# Allegro board 038RT-9068CJK8E-A100_0921_1.brd (continued)
## Nets (continued)
S3_GPIOB_2: SITE3.N2(GPIOB_2) UNK3RD101.1
S3_GPIOC_0: SITE3.L4(GPIOC_0) UNK3RD98.1
S3_GPIOC_1: SITE3.L5(GPIOC_1) UNK3RD99.1
S3_H_SW_CTRL: S3_SW_CTRL.1 UNK3R137.2
S3_HOLD: SITE3.N16(SPI_SIO3) UNK3RD78.1
S3_INH: SITE3.J4(INH) UNK3K6.5 UNK3R275.1 UNK3R360.1
S3_INH_DIV2: UNK3K6.3 UNK3R360.2 UNK3R361.1
S3_INH_GND: UNK3K6.9 UNK3R361.2
S3_L_SW_CTRL: S3_SW_CTRL.3 UNK3R138.2
S3_LB_FE_MDI+: UNK3U6.43 UNK3U6.53
S3_LB_FE_MDI-: UNK3U6.42 UNK3U6.52
S3_LB_FE_MDIX+: UNK3U6.37 UNK3U6.59
S3_LB_FE_MDIX-: UNK3U6.36 UNK3U6.58
S3_LB_P2_GIGA_MDI+: UNK3K144.23 UNK3K144.25
S3_LB_P2_GIGA_MDI-: UNK3K144.22 UNK3K144.24
S3_LB_P3_GIGA_MDI+: UNK3K144.32 UNK3K144.34
S3_LB_P3_GIGA_MDI-: UNK3K144.31 UNK3K144.33
S3_LDOIN: S3_LDOIN.1(TP) SITE3.H12(P5_LDOIN[01]) SITE3.H13(P1_LDOIN[01]) SITE3.J7(P0_LDOIN[01]) SITE3.J12(P5_LDOIN[02]) SITE3.J13(P1_LDOIN[02]) SITE3.K7(P0_LDOIN[02]) UNK3CD98.1 UNK3CD99.1 UNK3CD161.1 UNK3CD162.1 UNK3CD163.1 UNK3CD164.1 UNK3CD165.1 UNK3CD166.1 UNK3RD72.1 UNK3ST3.1
S3_MCT1: UNK3R134.1 UNK3T12.2
S3_MCT2: UNK3R133.1 UNK3T12.7
S3_MCT_RC: UNK3C172.1 UNK3R133.2 UNK3R134.2
S3_NGATE: SITE3.F5(NGATE) UNK3K11.9
S3_OE_K144: UNK3K144.1 UNK3K144.10 UNK3RL18.1
S3_OE_K145: UNK3K145.1 UNK3K145.10 UNK3RL16.1
S3_OE_K184: UNK3K184.1 UNK3K184.10 UNK3RL21.1
S3_OE_K213: UNK3K213.1 UNK3K213.10 UNK3RL42.1
S3_OE_K214: UNK3K214.1 UNK3K214.10 UNK3RL44.1
S3_OE_K217: UNK3K217.1 UNK3K217.10 UNK3RL39.1
S3_P0_LDOOUT: SITE3.H7(P0_LDOOUT[01]) SITE3.H8(P0_LDOOUT[02]) UNK1K8.9
S3_P0_LED: SITE3.H15(P0_LED) UNK3RD90.1
S3_P0_MDI+: SITE3.A3(P0_MDIP) UNK3K60.3
S3_P0_MDI-: SITE3.A2(P0_MDIN) UNK3K60.6
S3_P0_RXC: SITE3.G1(P0_RXC) UNK3RR410.1
S3_P0_RXD0: SITE3.K2(P0_RXD0) UNK3RR413.1
S3_P0_RXD1: SITE3.K1(P0_RXD1) UNK3RR407.1
S3_P0_RXD2: SITE3.J2(P0_RXD2) UNK3RR411.1
S3_P0_RXD3: SITE3.J1(P0_RXD3) UNK3RR408.1
S3_P0_RXDV: SITE3.H2(P0_RXDV) UNK3RR409.1
S3_P0_RXER: SITE3.H1(P0_RXER) UNK3RR406.1
S3_P0_TESTD: SITE3.G2(P0_TESTD) UNK3RR412.1
S3_P0_TXC: SITE3.E2(P0_TXC) UNK3RR404.1
S3_P0_TXD0: SITE3.D2(P0_TXD0) UNK3RR400.1
S3_P0_TXD1: SITE3.D1(P0_TXD1) UNK3RR401.1
S3_P0_TXD2: SITE3.C2(P0_TXD2) UNK3RR402.1
S3_P0_TXD3: SITE3.C1(P0_TXD3) UNK3RR403.1
S3_P0_TXEN: SITE3.E1(P0_TXEN) UNK3RR405.1
S3_P0_VDDIO: SITE3.B1(P0_VDDIO[01]) SITE3.F1(P0_VDDIO[02]) SITE3.F2(P0_VDDIO[03]) UNK1K8.10 UNK3BD8.1 UNK3CD104.1 UNK3CD105.1 UNK3CD136.1 UNK3CD137.1 UNK3CD138.1 UNK3CD139.1
S3_P1_LDOOUT: SITE3.K13(P1_LDOOUT[01]) SITE3.L13(P1_LDOOUT[02]) UNK1K9.9
S3_P1_LED: SITE3.J16(P1_LED) UNK3RD95.1
S3_P1_MDI+: SITE3.B4(P1_MDIP) UNK3K64.3
S3_P1_MDI-: SITE3.B3(P1_MDIN) UNK3K64.6
S3_P1_RXC: SITE3.R18(P1_RXC) UNK3RR524.1 UNK3RR534.1
S3_P1_RXD0: SITE3.M18(P1_RXD0) UNK3RR520.1 UNK3RR530.1
S3_P1_RXD1: SITE3.M19(P1_RXD1) UNK3RR521.1 UNK3RR531.1
S3_P1_RXD2: SITE3.N18(P1_RXD2) UNK3RR522.1 UNK3RR532.1
S3_P1_RXD3: SITE3.N19(P1_RXD3) UNK3RR523.1 UNK3RR533.1
S3_P1_RXDV: SITE3.P18(P1_RXDV) UNK3RR525.1 UNK3RR535.1
S3_P1_TXC: SITE3.T19(P1_TXC) UNK3RR504.1 UNK3RR514.1
S3_P1_TXD0: SITE3.V19(P1_TXD0) UNK3RR500.1 UNK3RR510.1
S3_P1_TXD1: SITE3.V18(P1_TXD1) UNK3RR501.1 UNK3RR511.1
S3_P1_TXD2: SITE3.W18(P1_TXD2) UNK3RR502.1 UNK3RR512.1
S3_P1_TXD3: SITE3.V17(P1_TXD3) UNK3RR503.1 UNK3RR513.1
S3_P1_TXEN: SITE3.U19(P1_TXEN) UNK3RR505.1 UNK3RR515.1
S3_P1_VDDIO: SITE3.R19(P1_VDDIO[01]) SITE3.T18(P1_VDDIO[02]) UNK1K9.10 UNK3BD9.1 UNK3CD106.1 UNK3CD107.1 UNK3CD145.1 UNK3CD146.1 UNK3CD147.1 UNK3CD148.1
S3_P2_GIGA_MDI+: SITE3.A16(P2_GIGA_MDIP) UNK3T18.3
S3_P2_GIGA_MDI-: SITE3.A15(P2_GIGA_MDIN) UNK3T18.4
S3_P2_LED: SITE3.J15(P2_LED) UNK3RD96.1
S3_P3_GIGA_MDI+: SITE3.A18(P3_GIGA_MDIP) UNK3T23.3
S3_P3_GIGA_MDI-: SITE3.A17(P3_GIGA_MDIN) UNK3T23.4
S3_P3_LED: SITE3.K15(P3_LED) UNK3RD100.1
S3_P4_HSI+: SITE3.V12(P4_HSIP) UNK3K184.3
S3_P4_HSI-: SITE3.V13(P4_HSIN) UNK3K184.2
S3_P4_HSO+: SITE3.W13(P4_HSOP) UNK3K184.7
S3_P4_HSO-: SITE3.W14(P4_HSON) UNK3K184.6
S3_P5_HSI+: SITE3.V14(P5_HSIP) UNK3K184.12
S3_P5_HSI-: SITE3.V15(P5_HSIN) UNK3K184.11
S3_P5_HSO+: SITE3.W15(P5_HSOP) UNK3K184.16
S3_P5_HSO-: SITE3.W16(P5_HSON) UNK3K184.15
S3_P5_LDOOUT: SITE3.K12(P5_LDOOUT[01]) SITE3.L12(P5_LDOOUT[02]) UNK1K10.9
S3_P5_LED: SITE3.L15(P5_LED) UNK3RD87.1
S3_P5_MDI+: SITE3.A5(P5_MDIP) UNK3K130.3
S3_P5_MDI-: SITE3.A4(P5_MDIN) UNK3K130.6
S3_P5_RXC: SITE3.G19(P5_RXC) UNK3RR924.1 UNK3RR934.1
S3_P5_RXD0: SITE3.D19(P5_RXD0) UNK3RR920.1 UNK3RR930.1
S3_P5_RXD1: SITE3.E18(P5_RXD1) UNK3RR921.1 UNK3RR931.1
S3_P5_RXD2: SITE3.E19(P5_RXD2) UNK3RR922.1 UNK3RR932.1
S3_P5_RXD3: SITE3.F18(P5_RXD3) UNK3RR923.1 UNK3RR933.1
S3_P5_RXDV: SITE3.F19(P5_RXDV) UNK3RR925.1 UNK3RR935.1
S3_P5_TXC: SITE3.J18(P5_TXC) UNK3RR904.1 UNK3RR914.1
S3_P5_TXD0: SITE3.K18(P5_TXD0) UNK3RR900.1 UNK3RR910.1
S3_P5_TXD1: SITE3.K19(P5_TXD1) UNK3RR901.1 UNK3RR911.1
S3_P5_TXD2: SITE3.L18(P5_TXD2) UNK3RR902.1 UNK3RR912.1
S3_P5_TXD3: SITE3.L19(P5_TXD3) UNK3RR903.1 UNK3RR913.1
S3_P5_TXEN: SITE3.J19(P5_TXEN) UNK3RR905.1 UNK3RR915.1
S3_P5_VDDIO: SITE3.D18(P5_VDDIO[01]) SITE3.H18(P5_VDDIO[02]) SITE3.H19(P5_VDDIO[03]) UNK1K10.10 UNK3BD10.1 UNK3CD140.1 UNK3CD141.1 UNK3CD150.1 UNK3CD151.1 UNK3CD152.1
S3_P6_CLKREQB: SITE3.U1(P6_CLKREQB) UNK3K211.3
S3_P6_HSI+: SITE3.W6(P6_HSIP) UNK3K213.7
S3_P6_HSI-: SITE3.W5(P6_HSIN) UNK3K213.6
S3_P6_HSO+: SITE3.W3(P6_HSOP) UNK3K213.2
S3_P6_HSO-: SITE3.W4(P6_HSON) UNK3K213.3
S3_P6_ISOLATEB: SITE3.U2(P6_ISOLATEB) UNK3K220.3
S3_P6_LANWAKEB: SITE3.T2(P6_LANWAKEB) UNK3K212.3
S3_P6_LED: SITE3.M15(P6_LED) UNK3RD92.1
S3_P6_MDI+: SITE3.B6(P6_MDIP) UNK3K140.3
S3_P6_MDI-: SITE3.B5(P6_MDIN) UNK3K140.6
S3_P6_PCIE_RESETB: SITE3.V1(P6_PCIE_RESETB) UNK3K221.3
S3_P6_REFCLK+: SITE3.V2(P6_REFCLK_P) UNK3K214.2
S3_P6_REFCLK-: SITE3.V3(P6_REFCLK_N) UNK3K214.3
S3_P7_CLKREQB: SITE3.R5(P7_CLKREQB) UNK3K211.6
S3_P7_HSI+: SITE3.W11(P7_HSIP) UNK3K213.16
S3_P7_HSI-: SITE3.W10(P7_HSIN) UNK3K213.15
S3_P7_HSO+: SITE3.W8(P7_HSOP) UNK3K213.11
S3_P7_HSO-: SITE3.W9(P7_HSON) UNK3K213.12
S3_P7_ISOLATEB: SITE3.T4(P7_ISOLATEB) UNK3K220.6
S3_P7_LANWAKEB: SITE3.R4(P7_LANWAKEB) UNK3K212.6
S3_P7_PCIE_RESETB: SITE3.T5(P7_PCIE_RESETB) UNK3K221.6
S3_P7_REFCLK+: SITE3.V6(P7_REFCLK_P) UNK3K214.6
S3_P7_REFCLK-: SITE3.V7(P7_REFCLK_N) UNK3K214.7
S3_PGATE: SITE3.H5(PGATE) UNK3K11.4
S3_R_P0_RXC: UNK3K233.3 UNK3RR410.2
S3_R_P0_RXD0: UNK3K182.6 UNK3RR413.2
S3_R_P0_RXD1: UNK3K231.6 UNK3RR407.2
S3_R_P0_RXD2: UNK3K233.6 UNK3RR411.2
S3_R_P0_RXD3: UNK3K232.3 UNK3RR408.2
S3_R_P0_RXDV: UNK3K232.6 UNK3RR409.2
S3_R_P0_RXER: UNK3K183.6 UNK3RR406.2
S3_R_P0_TXC: UNK3K181.6 UNK3RR404.2
S3_R_P0_TXD0: UNK3K180.6 UNK3RR400.2
S3_R_P0_TXD1: UNK3K181.3 UNK3RR401.2
S3_R_P0_TXD2: UNK3K182.3 UNK3RR402.2
S3_R_P0_TXD3: UNK3K183.3 UNK3RR403.2
S3_R_P0_TXEN: UNK3K180.3 UNK3RR405.2
S3_RESETB: SITE3.T1(RESETB) UNK3RD179.1
S3_RTT: SITE3.D11(RTT_CKDIG) UNK3R105.1 UNK3R434.1
S3_SEL1_K145: UNK3K145.8 UNK3RL15.1 UNK3RU11.2 UNK3RU12.1
S3_SEL2_K145: UNK3K145.17 UNK3RU12.2
S3_SEL2_K217: UNK3K217.17 UNK3RL38.1
S3_SPI_CSB: SITE3.L16(SPI_CSB) UNK3RD73.1
S3_SPI_SCK: SITE3.P16(SPI_SCK) UNK3RD75.1
S3_SPI_SI: SITE3.R16(SPI_SIO0) UNK3RD76.1
S3_SPI_SO: SITE3.M16(SPI_SIO1) UNK3RD74.1
S3_SPI_VDDIO: SITE3.R15(SPI_VDDIO) UNK3RD62.1
S3_SW_CTRL: S3_SW_CTRL.2 SLOT1-DOWN.B6 UNK3U6.10 UNK3U6.25 UNK3U17.10 UNK3U17.25 UNK3U18.10 UNK3U18.25
S3_SWR1_EN: UNK3CS5.1 UNK3R548.2 UNK3SWR1.7
S3_SWR1_FB: SG3_SWR1_FB.1 UNK3CS2.2 UNK3RB7.2 UNK3RB8.1 UNK3SWR1.1
S3_SWR1_LX: UNK3LX1.1 UNK3SWR1.6
S3_SWR1_PG: UNK3RS6.2 UNK3SWR1.2
S3_SWR1_VIN: UNK3RS6.1 UNK3RS9.2 UNK3SWR1.3
S3_TAPSL0: SITE3.P2(TAPSL0) UNK3RD79.1
S3_TAPSL0_HIGH: S3_TAPSL0.1 UNK3R342.1
S3_TAPSL0_LOW: S3_TAPSL0.3 UNK3R343.1
S3_TAPSL1: SITE3.R2(TAPSL1) UNK3RD80.1
S3_TAPSL1_HIGH: S3_TAPSL1.1 UNK3R344.1
S3_TAPSL1_LOW: S3_TAPSL1.3 UNK3R345.1
S3_TCT: UNK3C171.1 UNK3T12.10 UNK3T12.15
S3_TDO: SITE3.H16(TDO) UNK3RD97.2
S3_U1_FE_MDI+: UNK3K56.4 UNK3T12.11
S3_U1_FE_MDI-: UNK3K56.5 UNK3T12.9
S3_U1_FE_MDIX+: UNK3K52.4 UNK3T12.16
S3_U1_FE_MDIX-: UNK3K52.5 UNK3T12.14
S3_U1_P0_MDI+: UNK3K60.4 UNK3T7.3
S3_U1_P0_MDI-: UNK3K60.5 UNK3T7.4
S3_U1_P1_MDI+: UNK3K64.4 UNK3T8.3
S3_U1_P1_MDI-: UNK3K64.5 UNK3T8.4
S3_U1_P2_GIGA_MDI+: UNK3C385.1 UNK3T18.2
S3_U1_P2_GIGA_MDI-: UNK3C384.1 UNK3T18.1
S3_U1_P3_GIGA_MDI+: UNK3C413.1 UNK3T23.2
S3_U1_P3_GIGA_MDI-: UNK3C412.1 UNK3T23.1
S3_U1_P5_MDI+: UNK3K130.4 UNK3T17.3
S3_U1_P5_MDI-: UNK3K130.5 UNK3T17.4
S3_U1_P6_MDI+: UNK3K140.4 UNK3T15.3
S3_U1_P6_MDI-: UNK3K140.5 UNK3T15.4
S3_U2_FE_MDI+: UNK3T12.6 UNK3U6.12
S3_U2_FE_MDI-: UNK3T12.8 UNK3U6.13
S3_U2_FE_MDIX+: UNK3T12.1 UNK3U6.6
S3_U2_FE_MDIX-: UNK3T12.3 UNK3U6.7
S3_U2_P0_MDI+: UNK3C195.1 UNK3T7.2
S3_U2_P0_MDI-: UNK3C196.1 UNK3T7.1
S3_U2_P1_MDI+: UNK3C198.1 UNK3T8.2
S3_U2_P1_MDI-: UNK3C199.1 UNK3T8.1
S3_U2_P2_GIGA_MDI+: UNK3C385.2 UNK3K144.11 UNK3R454.1
S3_U2_P2_GIGA_MDI-: UNK3C384.2 UNK3K144.12 UNK3R455.1
S3_U2_P2_RC: UNK3C391.1 UNK3R454.2 UNK3R455.2 UNK3R456.1
S3_U2_P3_GIGA_MDI+: UNK3C413.2 UNK3K144.2 UNK3R498.1
S3_U2_P3_GIGA_MDI-: UNK3C412.2 UNK3K144.3 UNK3R499.1
S3_U2_P3_RC: UNK3C418.1 UNK3R498.2 UNK3R499.2 UNK3R500.1
S3_U2_P5_MDI+: UNK3C383.1 UNK3T17.2
S3_U2_P5_MDI-: UNK3C381.1 UNK3T17.1
S3_U2_P6_MDI+: UNK3C376.1 UNK3T15.2
S3_U2_P6_MDI-: UNK3C377.1 UNK3T15.1
S3_U3_FE_MDI+: UNK3CON1.3 UNK3U6.55
S3_U3_FE_MDI-: UNK3CON1.6 UNK3U6.54
S3_U3_FE_MDIX+: UNK3CON1.1 UNK3U6.61
S3_U3_FE_MDIX-: UNK3CON1.2 UNK3U6.60
S3_U3_P0_MDI+: UNK3C195.2 UNK3R149.1 UNK3U17.21
S3_U3_P0_MDI-: UNK3C196.2 UNK3R150.1 UNK3U17.22
S3_U3_P0_RC: UNK3C194.1 UNK3R2.1 UNK3R149.2 UNK3R150.2
S3_U3_P1_MDI+: UNK3C198.2 UNK3R155.1 UNK3U17.27
S3_U3_P1_MDI-: UNK3C199.2 UNK3R156.1 UNK3U17.28
S3_U3_P1_RC: UNK3C197.1 UNK3R3.1 UNK3R155.2 UNK3R156.2
S3_U3_P2_GIGA_MDI+: UNK3K144.29 UNK3K145.24
S3_U3_P2_GIGA_MDI-: UNK3K144.28 UNK3K145.25
S3_U3_P3_GIGA_MDI+: UNK3K144.38 UNK3K145.28
S3_U3_P3_GIGA_MDI-: UNK3K144.37 UNK3K145.29
S3_U3_P5_MDI+: UNK3C383.2 UNK3R440.1 UNK3U17.18
S3_U3_P5_MDI-: UNK3C381.2 UNK3R439.1 UNK3U17.19
S3_U3_P5_RC: UNK3C379.1 UNK3R5.1 UNK3R439.2 UNK3R440.2
S3_U3_P6_MDI+: UNK3C376.2 UNK3R441.1 UNK3U17.12
S3_U3_P6_MDI-: UNK3C377.2 UNK3R438.1 UNK3U17.13
S3_U3_P6_RC: UNK3C375.1 UNK3R10.1 UNK3R438.2 UNK3R441.2
S3_U4_GIGA_MDI+: UNK3GPHY3.1 UNK3K145.12
S3_U4_GIGA_MDI-: UNK3GPHY3.2 UNK3K145.11
S3_U4_P0_MDI+: UNK3K60.2 UNK3K240.3
S3_U4_P0_MDI-: UNK3K60.7 UNK3K240.6
S3_U4_P1_MDI+: UNK3K64.2 UNK3K241.3
S3_U4_P1_MDI-: UNK3K64.7 UNK3K241.6
S3_U4_P2_R_1: UNK3GPHY2.G1 UNK3GPHY2.G2 UNK3GPHY2.G3 UNK3R542.2
S3_U4_P2_R_2: UNK3GPHY2.G4 UNK3GPHY2.G5 UNK3GPHY2.G6 UNK3R543.2
S3_U4_P2_RC_1: UNK3C441.1 UNK3R542.1
S3_U4_P2_RC_2: UNK3C442.1 UNK3R543.1
S3_U4_P3_R_1: UNK3GPHY3.G1 UNK3GPHY3.G2 UNK3GPHY3.G3 UNK3R540.1
S3_U4_P3_R_2: UNK3GPHY3.G4 UNK3GPHY3.G5 UNK3GPHY3.G6 UNK3R541.2
S3_U4_P3_RC_1: UNK3C439.1 UNK3R540.2
S3_U4_P3_RC_2: UNK3C440.1 UNK3R541.1
S3_U4_P5_MDI+: UNK3K130.2 UNK3K242.3
S3_U4_P5_MDI-: UNK3K130.7 UNK3K242.6
S3_U4_P6_MDI+: UNK3K140.2 UNK3K243.3
S3_U4_P6_MDI-: UNK3K140.7 UNK3K243.6
S3_U4PI_P0_MDI+: UNK3MQS1.1 UNK3U17.45
S3_U4PI_P0_MDI-: UNK3MQS1.2 UNK3U17.44
S3_U4PI_P1_MDI+: UNK3MQS1.10 UNK3U17.39
S3_U4PI_P1_MDI-: UNK3MQS1.11 UNK3U17.38
S3_U4PI_P5_MDI+: UNK3MQS1.3 UNK3U17.49
S3_U4PI_P5_MDI-: UNK3MQS1.4 UNK3U17.48
S3_U4PI_P6_MDI+: UNK3MQS1.12 UNK3U17.55
S3_U4PI_P6_MDI-: UNK3MQS1.13 UNK3U17.54
S3_U4PILB_P0_MDI+: UNK3U17.43 UNK3U18.59
S3_U4PILB_P0_MDI-: UNK3U17.42 UNK3U18.58
S3_U4PILB_P1_MDI+: UNK3U17.37 UNK3U18.53
S3_U4PILB_P1_MDI-: UNK3U17.36 UNK3U18.52
S3_U4PILB_P5_MDI+: UNK3U17.47 UNK3U18.47
S3_U4PILB_P5_MDI-: UNK3U17.46 UNK3U18.46
S3_U4PILB_P6_MDI+: UNK3U17.53 UNK3U18.43
S3_U4PILB_P6_MDI-: UNK3U17.52 UNK3U18.42
S3_U6_VDD: UNK3C173.1 UNK3R20.1 UNK3R137.1 UNK3U6.2 UNK3U6.8 UNK3U6.11 UNK3U6.15 UNK3U6.16 UNK3U6.20 UNK3U6.24 UNK3U6.26 UNK3U6.31 UNK3U6.33 UNK3U6.40 UNK3U6.56 UNK3U6.64
S3_U17_VDD: UNK3C209.1 UNK3C220.1 UNK3R21.1 UNK3U17.2 UNK3U17.8 UNK3U17.11 UNK3U17.15 UNK3U17.16 UNK3U17.20 UNK3U17.24 UNK3U17.26 UNK3U17.31 UNK3U17.33 UNK3U17.40 UNK3U17.56 UNK3U17.64 UNK3U18.2 UNK3U18.8 UNK3U18.11 UNK3U18.15 UNK3U18.16 UNK3U18.20 UNK3U18.24 UNK3U18.26 UNK3U18.31 UNK3U18.33 UNK3U18.40 UNK3U18.56 UNK3U18.64
S3_VBAT: S3_PH_VBAT.1 S3_VBAT.1(TP) SITE3.G7(VBAT) UNK3C78.1 UNK3C79.1 UNK3C325.1 UNK3K7.4 UNK3K7.9 UNK3R276.2 UNK3R309.1
S3_VO09: S3_VO09.1(TP) SITE3.G4(VO09) SLOT1-UP.E13 UNK3CD168.1 UNK3L3.2 UNK3RD11.2 UNK3RD21.2
S3_VSENSE: SITE3.F4(VSENSE) UNK3K223.4
S3_WAKE: SITE3.K4(WAKE) UNK1K82.9
S3_WP: SITE3.K16(SPI_SIO2) UNK3RD77.1
S_SEL1_K144: K144.8(SEL1) K144.17(SEL2) RL10.2 RU7.2 UNK1K144.8 UNK1K144.17 UNK2K144.8 UNK2K144.17 UNK3K144.8 UNK3K144.17
S_SEL1_K184: K184.8(SEL1) K184.17(SEL2) RL19.2 RU13.2 UNK1K184.8 UNK1K184.17 UNK2K184.8 UNK2K184.17 UNK3K184.8 UNK3K184.17
S_SEL1_K213: K213.8(SEL1) K213.17(SEL2) RL41.2 RU27.2 UNK1K213.8 UNK1K213.17 UNK2K213.8 UNK2K213.17 UNK3K213.8 UNK3K213.17
S_SEL1_K214: K214.8(SEL1) RL45.2 RU30.2 UNK1K214.8 UNK2K214.8 UNK3K214.8
S_SEL1_K217: K217.8(SEL1) RL37.2 RU25.2 UNK1K217.8 UNK2K217.8 UNK3K217.8
S_SEL2_K214: K214.17(SEL2) RL43.2 RU29.2 UNK1K214.17 UNK2K214.17 UNK3K214.17
SC_COMP_BST1: BST1.3(COMP) CC1.1 RC1.1
SC_COMP_RC_BST1: CC2.1 RC1.2
SC_CS_BST1: BST1.8(CS) RS2.2
SC_CTRL_A0: MUX1.15(A0) MUX2.15(A0) MUX3.15(A0) MUX4.15(A0) MUX5.15(A0) MUX6.15(A0) MUX7.15(A0) MUX8.15(A0) MUX9.15(A0) MUX10.15(A0) MUX11.15(A0) MUX12.15(A0) MUX13.15(A0) MUX14.15(A0) MUX15.15(A0) MUX16.15(A0) SLOT1-UP.B27
SC_CTRL_A1: MUX1.14(A1) MUX2.14(A1) MUX3.14(A1) MUX4.14(A1) MUX5.14(A1) MUX6.14(A1) MUX7.14(A1) MUX8.14(A1) MUX9.14(A1) MUX10.14(A1) MUX11.14(A1) MUX12.14(A1) MUX13.14(A1) MUX14.14(A1) MUX15.14(A1) MUX16.14(A1) SLOT1-UP.D27
SC_FB_BST1: BST1.2(FB) CC1.2 CC2.2 RFB1.1 RFB2.2
SC_LDOB2_1V8: LDOB2.2(OUT) LDOB2.4(TAB) R435.2
SC_OUT_BST1: BST1.5(OUT) MOS1.4(G)
SC_Q1_S: MOS1.1(S1) MOS1.2(S2) MOS1.3(S3) RS1.2 RSNS1.1
SC_R_CS_BST1: CSNS1.1 RS1.1 RS2.1
SC_RT_BST1: BST1.9(RT) RT1.1
SC_SRC_VIN_BST1: BST_P45V.2 KB1.4(COMMON1) KB1.9(COMMON2)
SC_SS_BST1: BST1.10(SS) CSS1.1
SC_UVLO_BST1: BST1.7(UVLO) RUV1.1 RUV2.2
SC_VBAT_HV: COUT0.1 COUT1.1 DO1.2(CATHODE) K7.5(NO1) K7.8(NO2) RFB2.1 UNK1K7.5 UNK1K7.8 UNK2K7.5 UNK2K7.8 UNK3K7.5 UNK3K7.8 UNK45V_OUPUT.2
SC_VCC_BST1: BST1.4(VCC) CF1.1
SC_VIN_BST1: BST1.1(VIN) CIN1.1 CINX1.1 KB1.5(NO1) KB1.8(NO2) LB1.1 RUV2.1
SC_VSS_MUX1: CM1.1 MUX1.1(VSS) MUX1.EP(EP(VSS))
SC_VSS_MUX2: CM2.1 MUX2.1(VSS) MUX2.EP(EP(VSS))
SC_VSS_MUX3: CM3.1 MUX3.1(VSS) MUX3.EP(EP(VSS))
SC_VSS_MUX4: CM4.1 MUX4.1(VSS) MUX4.EP(EP(VSS))
SC_VSS_MUX5: CM5.1 MUX5.1(VSS) MUX5.EP(EP(VSS))
SC_VSS_MUX6: CM6.1 MUX6.1(VSS) MUX6.EP(EP(VSS))
SC_VSS_MUX7: CM7.1 MUX7.1(VSS) MUX7.EP(EP(VSS))
SC_VSS_MUX8: CM8.1 MUX8.1(VSS) MUX8.EP(EP(VSS))
SC_VSS_MUX9: CM9.1 MUX9.1(VSS) MUX9.EP(EP(VSS))
SC_VSS_MUX10: CM10.1 MUX10.1(VSS) MUX10.EP(EP(VSS))
SC_VSS_MUX11: CM11.1 MUX11.1(VSS) MUX11.EP(EP(VSS))
SC_VSS_MUX12: CM12.1 MUX12.1(VSS) MUX12.EP(EP(VSS))
SC_VSS_MUX13: CM13.1 MUX13.1(VSS) MUX13.EP(EP(VSS))
SC_VSS_MUX14: CM14.1 MUX14.1(VSS) MUX14.EP(EP(VSS))
SC_VSS_MUX15: CM15.1 MUX15.1(VSS) MUX15.EP(EP(VSS))
SC_VSS_MUX16: CM16.1 MUX16.1(VSS) MUX16.EP(EP(VSS))
SC_VSW_BST1: DO1.1(ANODE) DO1.3(ANODE2) LB1.2 MOS1.5(D1) MOS1.6(D2) MOS1.7(D3) MOS1.8(D4) MOS1.EP(EP(D))
SG0_1_P0_MDI+: C180.1 T2.1
SG0_1_P0_MDI-: C179.1 T2.2
SG0_1_P1_MDI+: C184.1 T3.1
SG0_1_P1_MDI-: C183.1 T3.2
SG0_1_P1_TXD0: K225.4 RR520.2
SG0_1_P1_TXD1: K225.5 RR521.2
SG0_1_P1_TXD2: K226.4 RR522.2
SG0_1_P1_TXD3: K226.5 RR523.2
SG0_1_P2_GIGA_MDI+: C422.1 T24.1
SG0_1_P2_GIGA_MDI-: C421.1 T24.2
SG0_1_P3_GIGA_MDI+: C431.1 T25.1
SG0_1_P3_GIGA_MDI-: C430.1 T25.2
SG0_1_P5_MDI+: C401.1 T21.2
SG0_1_P5_MDI-: C405.1 T21.1
SG0_1_P5_TXD0: K227.4 RR920.2
SG0_1_P5_TXD1: K227.5 RR921.2
SG0_1_P5_TXD2: K228.4 RR922.2
SG0_1_P6_MDI+: C407.1 T20.2
SG0_1_P6_MDI-: C402.1 T20.1
SG0_2_P0_MDI+: C180.2 R139.1 U18.6(A0)
SG0_2_P0_MDI-: C179.2 R140.1 U18.7(A1)
SG0_2_P0_RC: C181.1 R6.1 R139.2 R140.2
SG0_2_P1_MDI+: C184.2 R141.1 U18.12(A2)
SG0_2_P1_MDI-: C183.2 R142.1 U18.13(A3)
SG0_2_P1_RC: C182.1 R7.1 R141.2 R142.2
SG0_2_P2_GIGA_MDI+: C422.2 K144.15(A3+) R517.1
SG0_2_P2_GIGA_MDI-: C421.2 K144.16(A3-) R518.1
SG0_2_P2_RC: C427.1 R517.2 R518.2 R519.1
SG0_2_P3_GIGA_MDI+: C431.2 K144.6(A1+) R536.1
SG0_2_P3_GIGA_MDI-: C430.2 K144.7(A1-) R537.1
SG0_2_P3_RC: C436.1 R536.2 R537.2 R538.1
SG0_2_P5_MDI+: C401.2 R474.1 U18.18(A4)
SG0_2_P5_MDI-: C405.2 R470.1 U18.19(A5)
SG0_2_P5_RC: C406.1 R9.1 R470.2 R474.2
SG0_2_P6_MDI+: C407.2 R475.1 U18.21(A6)
SG0_2_P6_MDI-: C402.2 R473.1 U18.22(A7)
SG0_2_P6_RC: C399.1 R19.1 R473.2 R475.2
SG0_3_P2_GIGA_MDI+: K144.27(B3+) K145.33(C0-)
SG0_3_P2_GIGA_MDI-: K144.26(B3-) K145.34(C0+)
SG0_3_P3_GIGA_MDI+: K144.36(B1+) K145.37(B0-)
SG0_3_P3_GIGA_MDI-: K144.35(B1-) K145.38(B0+)
SG0_3PI_P0_MDI+: MQS1.6 U18.61(0B1)
SG0_3PI_P0_MDI-: MQS1.7 U18.60(1B1)
SG0_3PI_P1_MDI+: MQS1.15 U18.55(2B1)
SG0_3PI_P1_MDI-: MQS1.16 U18.54(3B1)
SG0_3PI_P5_MDI+: MQS1.8 U18.49(4B1)
SG0_3PI_P5_MDI-: MQS1.9 U18.48(5B1)
SG0_3PI_P6_MDI+: MQS1.17 U18.45(6B1)
SG0_3PI_P6_MDI-: MQS1.18 U18.44(7B1)
SG0_AT+: GOLD0.B15(ATP) R579.1
SG0_AT-: GOLD0.B16(ATN) R578.1
SG0_AVDD09: BDG2.1 CG26.1 CG27.1 CG28.1 CG29.1 CG30.1 CG31.1 CG32.1 CG33.1 CG34.1 CG35.1 CG36.1 CG37.1 CG38.1 CG39.1 CG40.1 CG41.1 CG42.1 CG43.1 CG44.1 CG82.1 CG86.1 GOLD0.A8(AVDD09_FE[01]) GOLD0.D8(AVDD09_FE[02]) GOLD0.D15(AVDD09_MCK[01]) GOLD0.D16(AVDD09_GIGA[01]) GOLD0.E4(AVDD09[01]) GOLD0.E5(AVDD09[02]) GOLD0.E15(AVDD09_MCK[02]) GOLD0.E16(AVDD09_GIGA[02]) GOLD0.T13(AVDD09_SGMII[01]) GOLD0.T14(AVDD09_SGMII[02]) GOLD0.V4(AVDD09_RX[01]) GOLD0.V5(AVDD09_RX[02]) GOLD0.V8(AVDD09_CMU[01]) GOLD0.V9(AVDD09_CMU[02]) GOLD0.V10(AVDD09_TX[01]) GOLD0.V11(AVDD09_TX[02]) SG0_AVDD09.1(TP)
SG0_AVDD33: CG51.1 CG52.1 CG53.1 CG54.1 CG55.1 CG56.1 CG57.1 CG58.1 CG59.1 CG60.1 CG61.1 CG62.1 CG63.1 CG64.1 CG65.1 CG66.1 CG67.1 CG68.1 CG69.1 CG70.1 CG71.1 CG72.1 CG73.1 CG87.1 CG88.1 GOLD0.B12(AVDD33_XTAL[01]) GOLD0.B13(AVDD33_XTAL[02]) GOLD0.B14(AVDD33_CEN) GOLD0.B17(AVDD33_MCK[01]) GOLD0.B18(AVDD33_MCK[02]) GOLD0.D4(AVDD33[01]) GOLD0.D5(AVDD33[02]) GOLD0.D6(AVDD33_DIG[01]) GOLD0.D7(AVDD33_FE[01]) GOLD0.E6(AVDD33_DIG[02]) GOLD0.E7(AVDD33_FE[02]) GOLD0.E11(AVDD33_CKDIG) GOLD0.F15(AVDD33_P2[01]) GOLD0.F16(AVDD33_P3[01]) GOLD0.G5(AVDD33_PCTL) GOLD0.G15(AVDD33_P2[02]) GOLD0.G16(AVDD33_P3[02]) GOLD0.T9(AVDD33_CMU[01]) GOLD0.T10(AVDD33_CMU[02]) GOLD0.T15(AVDD33_SGMII[01]) GOLD0.T16(AVDD33_SGMII[02]) GOLD0.V16(AVDD33_SGMII[03]) RG32.1 SG0_AVDD33.1(TP)
SG0_AVDD33_MOSFET: BDG5.1 CG90.1 CG96.1 CG114.1 GOLD0.J5(AVDD33MOSFET) SG0_AVDD33_MOSFET.1(TP)
SG0_C_P4_HSI+: CS64.1 K184.35(B1-)
SG0_C_P4_HSI-: CS63.1 K184.36(B1+)
SG0_C_P4_HSO+: CS62.1 K184.37(B0-)
SG0_C_P4_HSO-: CS61.1 K184.38(B0+)
SG0_C_P5_HSI+: CS74.1 K184.26(B3-)
SG0_C_P5_HSI-: CS73.1 K184.27(B3+)
SG0_C_P5_HSO+: CS72.1 K184.28(B2-)
SG0_C_P5_HSO-: CS71.1 K184.29(B2+)
SG0_C_P6_HSI+: CS107.1 K217.27(B3+)
SG0_C_P6_HSI-: CS108.1 K217.26(B3-)
SG0_C_P6_HSO+: CS102.1 K214.26(B3-)
SG0_C_P6_HSO-: CS101.1 K214.27(B3+)
SG0_C_P7_HSI+: CS117.1 K217.29(B2+)
SG0_C_P7_HSI-: CS118.1 K217.28(B2-)
SG0_C_P7_HSO+: CS112.1 K214.28(B2-)
SG0_C_P7_HSO-: CS111.1 K214.29(B2+)
SG0_CKXTAL1: C75.2 GOLD0.A13(XI) Y6.3
SG0_CKXTAL2: C76.2 GOLD0.A12(XO) Y6.1
SG0_DCH_TDO: GOLD0.H16(TDO) MUX16.2(S1A)
SG0_DISB: GOLD0.R1(DISB) R71.1
SG0_DVDD09: BDG1.1 BDG19.1 BDG20.1 CG1.1 CG2.1 CG3.1 CG4.1 CG5.1 CG6.1 CG7.1 CG8.1 CG9.1 CG10.1 CG11.1 CG12.1 CG13.1 CG14.1 CG15.1 CG16.1 CG17.1 CG18.1 CG19.1 CG80.1 CG81.1 GOLD0.G8(DVDD09[01]) GOLD0.H9(DVDD09[02]) GOLD0.J9(DVDD09[03]) GOLD0.K9(DVDD09[04]) GOLD0.L9(DVDD09[05]) GOLD0.M10(DVDD09[06]) GOLD0.M11(DVDD09[07]) GOLD0.M12(DVDD09[08]) GOLD0.N10(DVDD09[09]) GOLD0.N11(DVDD09[10]) GOLD0.N12(DVDD09[11]) SG0_DVDD09.1(TP)
SG0_DVDD33: CG83.1 CG84.1 CG85.1 CG89.1 CG91.1 CG92.1 CG100.1 CG142.1 GOLD0.M13(DVDD33[01]) GOLD0.N13(DVDD33[02]) RG42.1 SG0_DVDD33.1(TP)
SG0_FE_LED0: GOLD0.N15(FE_LED0) SG0_FE_LED0.1(TP)
SG0_FE_LED1: GOLD0.P15(FE_LED1) SG0_FE_LED1.1(TP)
SG0_GPIO_VDDIO: CG108.1 CG127.1 CG128.1 CG129.1 CG130.1 CG131.1 CG132.1 CG133.1 CG134.1 CG143.1 GOLD0.L7(GPIO0_VDDIO) GOLD0.M9(GPIO1_VDDIO) GOLD0.R6(MAC_VDDIO[01]) GOLD0.R15(SPI_VDDIO) GOLD0.T6(MAC_VDDIO[02]) RG64.1 SG0_GPIO_VDDIO.1(TP)
SG0_GPIOA_0: GOLD0.L1(GPIOA_0) SG0_GPIOA_0.1(TP)
SG0_GPIOA_1: GOLD0.M1(GPIOA_1) R348.1 RG21.1
SG0_GPIOA_2: GOLD0.N1(GPIOA_2) R347.1 RG22.1
SG0_GPIOA_3: GOLD0.P1(GPIOA_3) R60.1 R552.2 SG0_GPIOA3.1(TP)
SG0_GPIOB_0: GOLD0.L2(GPIOB_0) R61.1 R264.1
SG0_GPIOB_1: GOLD0.M2(GPIOB_1) R62.1 R263.1
SG0_GPIOB_2: GOLD0.N2(GPIOB_2) R553.1
SG0_GPIOC_0: GOLD0.L4(GPIOC_0) R63.1 R568.1
SG0_GPIOC_1: GOLD0.L5(GPIOC_1) R64.1 R569.1
SG0_GPIOC_2: GOLD0.M4(GPIOC_2) R66.1 R570.1
SG0_GPIOC_3: GOLD0.M5(GPIOC_3) R68.1 R571.1
SG0_GPIOC_4: GOLD0.N4(GPIOC_4) R67.1 R572.1
SG0_GPIOC_5: GOLD0.N5(GPIOC_5) R554.1 R573.1
SG0_GPIOD_0: GOLD0.P4(GPIOD_0) R555.1
SG0_GPIOD_1: GOLD0.P5(GPIOD_1) R556.1
SG0_GPIOD_2: GOLD0.R9(GPIOD_2) R557.1
SG0_GPIOE_0: GOLD0.R7(GPIOE_0) R558.1
SG0_GPIOE_1: GOLD0.R8(GPIOE_1) R559.1
SG0_GPIOE_2: GOLD0.N7(GPIOE_2) R560.1
SG0_GPIOE_3: GOLD0.M7(GPIOE_3) R561.1
SG0_GPIOE_4: GOLD0.N8(GPIOE_4) R562.1
SG0_GPIOF_0: GOLD0.M8(GPIOF_0) R563.1 R577.1
SG0_GPIOF_1: GOLD0.L8(GPIOF_1) R564.1 R576.1
SG0_GPIOF_2: GOLD0.K8(GPIOF_2) R565.1 R575.1
SG0_GPIOF_3: GOLD0.J8(GPIOF_3) R566.1 R574.1
SG0_GPIOF_4: GOLD0.N9(GPIOF_4) R567.1
SG0_HL_P1_TXD0: K225.2 RRG51.1 RRG52.1
SG0_HL_P1_TXD1: K225.7 RRG53.1 RRG54.1
SG0_HL_P1_TXD2: K226.2 RRG55.1 RRG56.1
SG0_HL_P1_TXD3: K226.7 RRG57.1 RRG58.1
SG0_HL_P5_TXD0: K227.2 RRG91.1 RRG92.1
SG0_HL_P5_TXD1: K227.7 RRG93.1 RRG94.1
SG0_HL_P5_TXD2: K228.2 RRG95.1 RRG96.1
SG0_HOLD: GOLD0.N16(SPI_SIO3) RG78.1
SG0_INH: GOLD0.J4(INH) R24.1 SG0_INH.1(TP)
SG0_LDOIN: CG98.1 CG99.1 CG161.1 CG162.1 CG163.1 CG164.1 CG165.1 CG166.1 GOLD0.H12(P5_LDOIN[01]) GOLD0.H13(P1_LDOIN[01]) GOLD0.J7(P0_LDOIN[01]) GOLD0.J12(P5_LDOIN[02]) GOLD0.J13(P1_LDOIN[02]) GOLD0.K7(P0_LDOIN[02]) RG72.1 SG0_LDOIN.1(TP)
SG0_MCT1: R135.1 T13.2(MCT1)
SG0_MCT2: R136.1 T13.7(MCT2)
SG0_MCT_RC: C119.1 R135.2 R136.2
SG0_NGATE: GOLD0.F5(NGATE) R581.1
SG0_P0_LDOOUT: CG101.1 GOLD0.H7(P0_LDOOUT[01]) GOLD0.H8(P0_LDOOUT[02]) SG0_P0_LDOOUT.1(TP)
SG0_P0_LED: GOLD0.H15(P0_LED) SG0_P0_LED.1(TP)
SG0_P0_MDI+: GOLD0.A3(P0_MDIP) T2.4
SG0_P0_MDI-: GOLD0.A2(P0_MDIN) T2.3
SG0_P0_RXC: GOLD0.G1(P0_RXC) K181.7 SG0_P0_RXC.1(TP)
SG0_P0_RXD0: GOLD0.K2(P0_RXD0) K180.7 SG0_P0_RXD0.1(TP)
SG0_P0_RXD1: GOLD0.K1(P0_RXD1) K181.2 SG0_P0_RXD1.1(TP)
SG0_P0_RXD2: GOLD0.J2(P0_RXD2) K182.2 SG0_P0_RXD2.1(TP)
SG0_P0_RXD3: GOLD0.J1(P0_RXD3) K183.2 SG0_P0_RXD3.1(TP)
SG0_P0_RXDV: GOLD0.H2(P0_RXDV) K180.2 SG0_P0_RXDV.1(TP)
SG0_P0_TESTD: GOLD0.G2(P0_TESTD) RRG49.1
SG0_P0_TXC: GOLD0.E2(P0_TXC) K233.2 SG0_P0_TXC.1(TP)
SG0_P0_TXD0: GOLD0.D2(P0_TXD0) K182.7 SG0_P0_TXD0.1(TP)
SG0_P0_TXD1: GOLD0.D1(P0_TXD1) K231.7 SG0_P0_TXD1.1(TP)
SG0_P0_TXD2: GOLD0.C2(P0_TXD2) K233.7 SG0_P0_TXD2.1(TP)
SG0_P0_TXD3: GOLD0.C1(P0_TXD3) K232.2 SG0_P0_TXD3.1(TP)
SG0_P0_TXEN: GOLD0.E1(P0_TXEN) K232.7 SG0_P0_TXEN.1(TP)
SG0_P0_VDDIO: BDG8.1 CG104.1 CG105.1 CG136.1 CG137.1 CG138.1 CG139.1 GOLD0.B1(P0_VDDIO[01]) GOLD0.F1(P0_VDDIO[02]) GOLD0.F2(P0_VDDIO[03])
SG0_P1_LDOOUT: CG102.1 GOLD0.K13(P1_LDOOUT[01]) GOLD0.L13(P1_LDOOUT[02]) SG0_P1_LDOOUT.1(TP)
SG0_P1_LED: GOLD0.J16(P1_LED) SG0_P1_LED.1(TP)
SG0_P1_MDI+: GOLD0.B4(P1_MDIP) T3.4
SG0_P1_MDI-: GOLD0.B3(P1_MDIN) T3.3
SG0_P1_RXC: GOLD0.R18(P1_RXC) RR504.2 SG0_P1_RXC.1(TP)
SG0_P1_RXD0: GOLD0.M18(P1_RXD0) RR500.2 SG0_P1_RXD0.1(TP)
SG0_P1_RXD1: GOLD0.M19(P1_RXD1) RR501.2 SG0_P1_RXD1.1(TP)
SG0_P1_RXD2: GOLD0.N18(P1_RXD2) RR502.2 SG0_P1_RXD2.1(TP)
SG0_P1_RXD3: GOLD0.N19(P1_RXD3) RR503.2 SG0_P1_RXD3.1(TP)
SG0_P1_RXDV: GOLD0.P18(P1_RXDV) RR505.2 SG0_P1_RXDV.1(TP)
SG0_P1_TESTD: GOLD0.U18(P1_TESTD) RRG59.1
SG0_P1_TXC: GOLD0.T19(P1_TXC) RR524.2 SG0_P1_TXC.1(TP)
SG0_P1_TXD0: GOLD0.V19(P1_TXD0) K225.3 SG0_P1_TXD0.1(TP)
SG0_P1_TXD1: GOLD0.V18(P1_TXD1) K225.6 SG0_P1_TXD1.1(TP)
SG0_P1_TXD2: GOLD0.W18(P1_TXD2) K226.3 SG0_P1_TXD2.1(TP)
SG0_P1_TXD3: GOLD0.V17(P1_TXD3) K226.6 SG0_P1_TXD3.1(TP)
SG0_P1_TXEN: GOLD0.U19(P1_TXEN) RR525.2 SG0_P1_TXEN.1(TP)
SG0_P1_VDDIO: BDG9.1 CG106.1 CG107.1 CG145.1 CG146.1 CG147.1 CG148.1 GOLD0.R19(P1_VDDIO[01]) GOLD0.T18(P1_VDDIO[02])
SG0_P2_GIGA_MDI+: GOLD0.A16(P2_GIGA_MDIP) T24.4
SG0_P2_GIGA_MDI-: GOLD0.A15(P2_GIGA_MDIN) T24.3
SG0_P2_LED: GOLD0.J15(P2_LED) SG0_P2_LED.1(TP)
SG0_P3_GIGA_MDI+: GOLD0.A18(P3_GIGA_MDIP) T25.4
SG0_P3_GIGA_MDI-: GOLD0.A17(P3_GIGA_MDIN) T25.3
SG0_P3_LED: GOLD0.K15(P3_LED) SG0_P3_LED.1(TP)
SG0_P4_HSI+: CS64.2 GOLD0.V12(P4_HSIP)
SG0_P4_HSI-: CS63.2 GOLD0.V13(P4_HSIN)
SG0_P4_HSO+: CS62.2 GOLD0.W13(P4_HSOP)
SG0_P4_HSO-: CS61.2 GOLD0.W14(P4_HSON)
SG0_P5_HSI+: CS74.2 GOLD0.V14(P5_HSIP)
SG0_P5_HSI-: CS73.2 GOLD0.V15(P5_HSIN)
SG0_P5_HSO+: CS72.2 GOLD0.W15(P5_HSOP)
SG0_P5_HSO-: CS71.2 GOLD0.W16(P5_HSON)
SG0_P5_LDOOUT: CG103.1 GOLD0.K12(P5_LDOOUT[01]) GOLD0.L12(P5_LDOOUT[02]) SG0_P5_LDOOUT.1(TP)
SG0_P5_LED: GOLD0.L15(P5_LED) SG0_P5_LED.1(TP)
SG0_P5_MDI+: GOLD0.A5(P5_MDIP) T21.3
SG0_P5_MDI-: GOLD0.A4(P5_MDIN) T21.4
SG0_P5_RXC: GOLD0.G19(P5_RXC) RR904.2 SG0_P5_RXC.1(TP)
SG0_P5_RXD0: GOLD0.D19(P5_RXD0) RR900.2 SG0_P5_RXD0.1(TP)
SG0_P5_RXD1: GOLD0.E18(P5_RXD1) RR901.2 SG0_P5_RXD1.1(TP)
SG0_P5_RXD2: GOLD0.E19(P5_RXD2) RR902.2 SG0_P5_RXD2.1(TP)
SG0_P5_RXD3: GOLD0.F18(P5_RXD3) RR903.2 SG0_P5_RXD3.1(TP)
SG0_P5_RXDV: GOLD0.F19(P5_RXDV) RR905.2 SG0_P5_RXDV.1(TP)
SG0_P5_TXC: GOLD0.J18(P5_TXC) RR924.2 SG0_P5_TXC.1(TP)
SG0_P5_TXD0: GOLD0.K18(P5_TXD0) K227.3 SG0_P5_TXD0.1(TP)
SG0_P5_TXD1: GOLD0.K19(P5_TXD1) K227.6 SG0_P5_TXD1.1(TP)
